# Altium PCB Thermostat_8CH.PCBDOC (part 2 of 10) (continued)
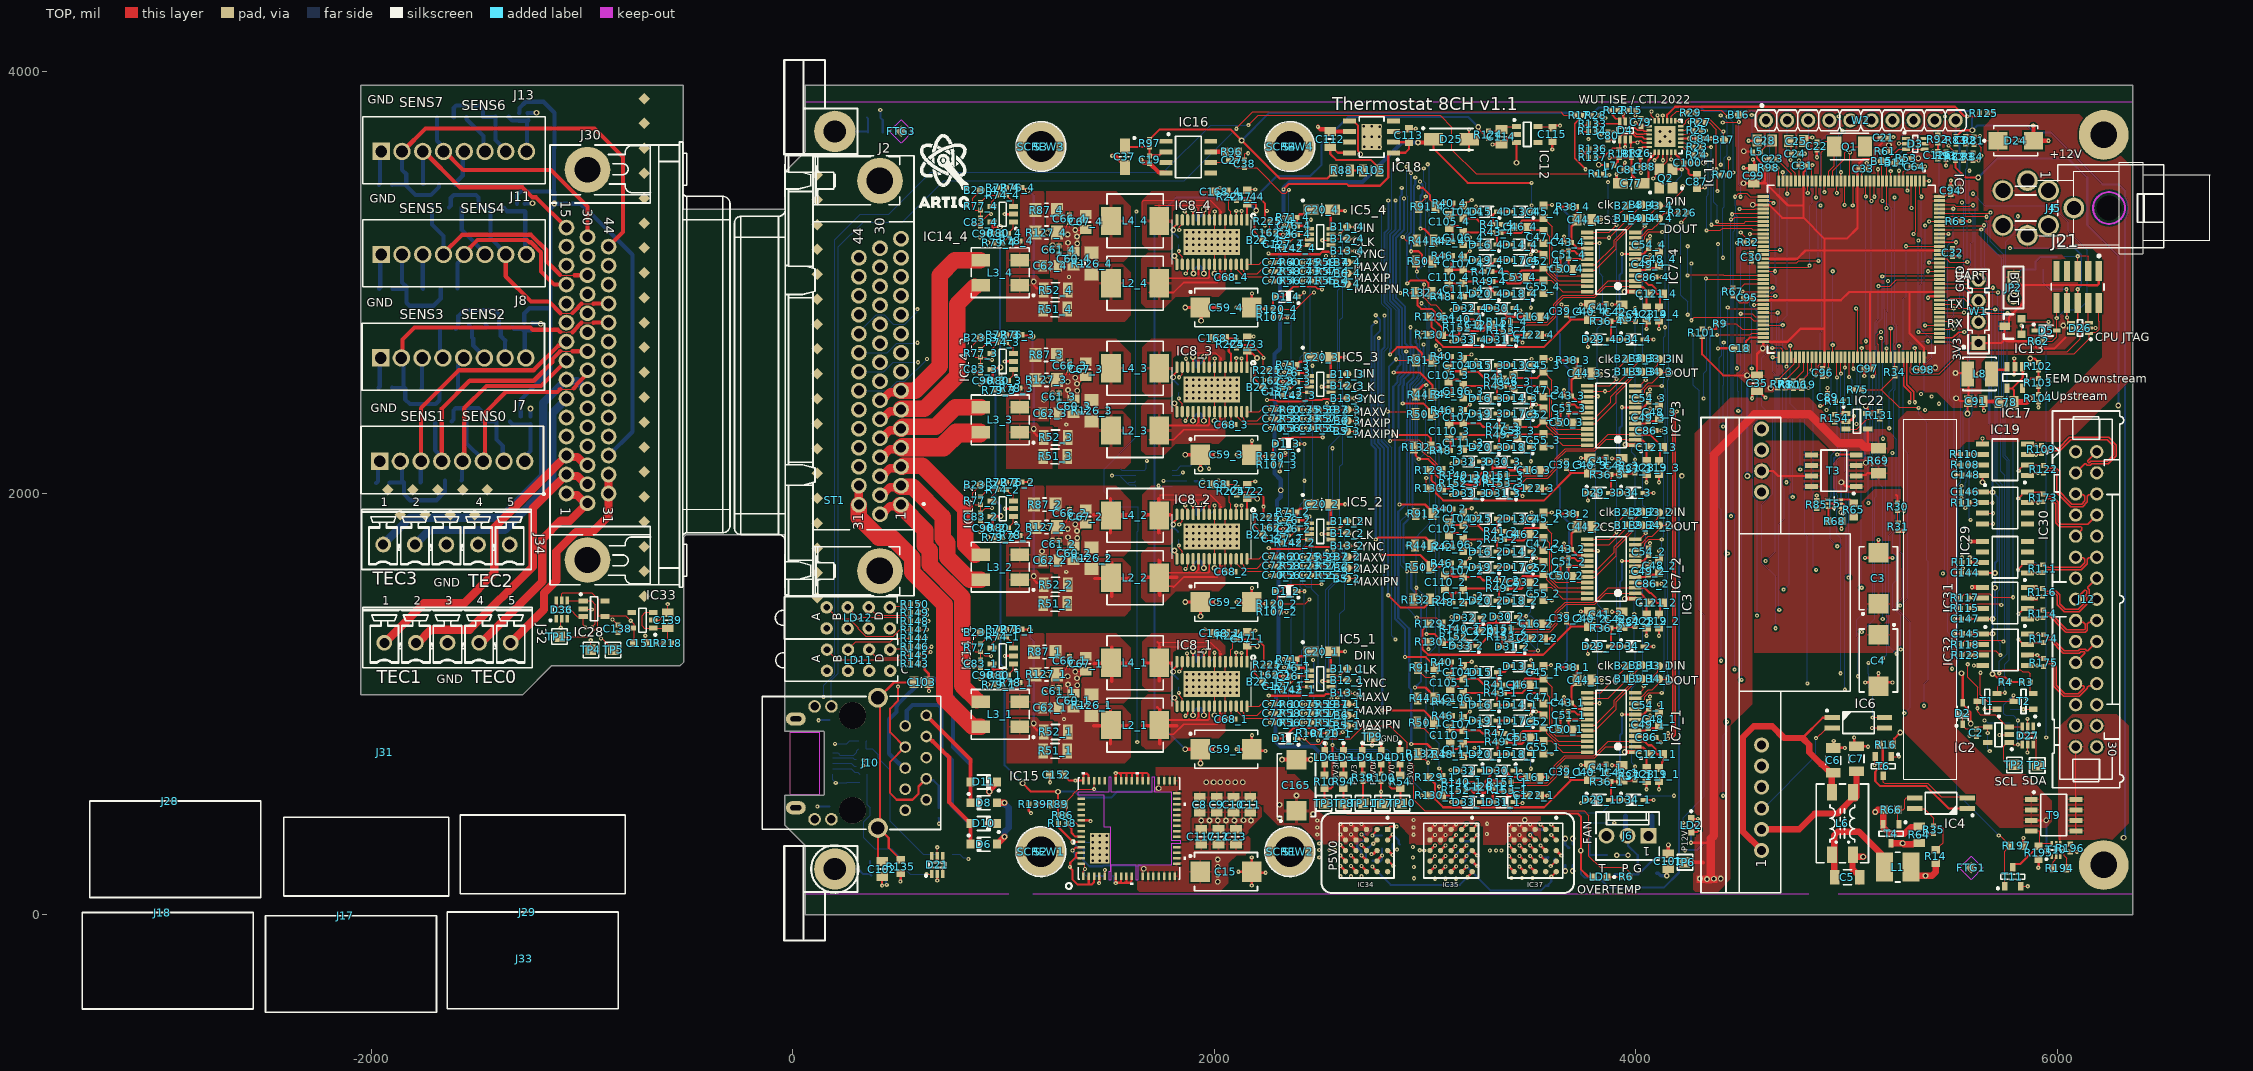
[diagram p0: TOP view]
## Components (designator, comment, footprint, x,y, rotation, side; value= is the part's Value field where it differs from the comment) (continued)
R83 "6k8" RESC1005X40N 5519.69,3674.57 r90 top
R84 "6k8" RESC1005X40N 5599.35,3597.97 r270 top
R85 "33k" RESC1005X40N 4858.87,1946.78 r270 top
R86 "10k" RESC1005X40N 1280.51,473.22 r180 top
R87_1 "0" RESC3116X80N 1194.52,1247.1 r180 top (schematic designator R87)
R87_2 "0" RESC3116X80N 1194.52,1945.92 r180 top (schematic designator R87)
R87_3 "0" RESC3116X80N 1201.43,2656.71 r180 top (schematic designator R87)
R87_4 "0" RESC3116X80N 1202.96,3344.24 r180 top (schematic designator R87)
R88 "10" RESC2012X60N 2604,3532 r0 top
R89 "1k8" RESC1608X55N 1255.83,524.41 r0 top
R90 "10k" RESC1005X40N 4262.8,396.65 r270 bottom
R91_1 "5k" RESC2013X64N 3005.39,1171.06 r180 top (schematic designator R91)
R91_2 "5k" RESC2013X64N 2995,1901.86 r180 top (schematic designator R91)
R91_3 "5k" RESC2013X64N 2996.11,2631.25 r180 top (schematic designator R91)
R91_4 "5k" RESC2013X64N 3009.49,3359.6 r180 top (schematic designator R91)
R92 "1k6" RESC1005X40N 5433.07,3681.1 r90 top
R93 "6k8" RESC1005X40N 5472.44,3602.36 r270 top
R94 "1k3" RESC1608X55N 2612.2,631.35 r90 top
R95 "1k5" RESC1005X40N 1499.53,184.25 r0 bottom
R96 "82k" RESC1608X55N 2082.68,3621.06 r0 top
R97 "33" RESC1005X40N 1692.91,3661.42 r270 top
R98 "1k5" RESC1005X40N 4631.76,3544.75 r0 top
R99 "10k" RESC1005X40N 4263.57,3805.21 r180 bottom
R100 "6k8" RESC1005X40N 2791.44,650.64 r90 top
R101 "10k" RESC1005X40N 4314.87,2761.05 r90 top
R102 "240k" RESC1005X40N 5910.44,2602.32 r90 top
R103 "51k" RESC1005X40N 5910.44,2525.64 r90 top
R104 "2k" RESC1005X40N 5910.44,2451.71 r90 top
R105 "10" RESC2012X60N 2744,3532 r0 top
R106 "2k2" RESC1005X40N 4748.03,2515.75 r270 top
R107_1 "100k" RESC1005X40N 2483.27,861.09 r180 top (schematic designator R107)
R107_2 "100k" RESC1005X40N 2296.26,1436.76 r0 top (schematic designator R107)
R107_3 "100k" RESC1005X40N 2296.26,2135.58 r0 top (schematic designator R107)
R107_4 "100k" RESC1005X40N 2296.26,2834.4 r0 top (schematic designator R107)
R108 "100" RESC1005X40N 5562.11,2134.29 r0 top
R109 "100" RESC1005X40N 5924.98,2208.03 r90 top
R110 "100" RESC1005X40N 5559.47,2184.27 r0 top
R111 "100" RESC1005X40N 5930.97,1642.12 r90 top
R112 "100" RESC1005X40N 5565.96,1671.79 r0 top
R113 "100" RESC1005X40N 5563.45,1955.38 r0 top
R114 "100" RESC1005X40N 5931.76,1428.15 r90 top
R115 "100" RESC1005X40N 5559.86,1453.79 r0 top
R116 "100" RESC1005X40N 5929.14,1530 r90 top
R117 "100" RESC1005X40N 5559.86,1503.79 r0 top
R118 "100" RESC1005X40N 5563.78,1281.89 r0 top
R119 "2k2" RESC1005X40N 4787.4,2515.75 r270 top
R120_1 "1k" RESC1005X40N 2554.45,860.05 r0 top (schematic designator R120)
R120_2 "1k" RESC1005X40N 2296.26,1476.13 r0 top (schematic designator R120)
R120_3 "1k" RESC1005X40N 2296.26,2174.95 r0 top (schematic designator R120)
R120_4 "1k" RESC1005X40N 2296.26,2873.77 r0 top (schematic designator R120)
R121 "10k" RESC1005X40N 3757.39,334.71 r180 bottom
R122 "100" RESC1005X40N 5934.69,2113.5 r90 top
R123 "100" RESC1005X40N 5565.96,1231.89 r0 top
R124 "33" RESC1005X40N 3300.75,3701.77 r90 top
R125 "10k" RESC1005X40N 5650.73,3804.39 r180 top
R126_1 "0" RESC3116X80N 1417.41,993.85 r90 top (schematic designator R126)
R126_2 "0" RESC3116X80N 1417.41,1692.67 r90 top (schematic designator R126)
R126_3 "0" RESC3116X80N 1417.41,2391.49 r90 top (schematic designator R126)
R126_4 "0" RESC3116X80N 1417.41,3090.31 r90 top (schematic designator R126)
R127_1 "0" RESC3116X80N 1202.96,1140.58 r180 top (schematic designator R127)
R127_2 "0" RESC3116X80N 1202.96,1839.39 r180 top (schematic designator R127)
R127_3 "0" RESC3116X80N 1202.96,2538.21 r180 top (schematic designator R127)
R127_4 "0" RESC3116X80N 1202.96,3237.03 r180 top (schematic designator R127)
R128 "100k" RESC1005X40N 1357,262 r180 bottom
R129_1 "0" RESC1608X55N 3048.33,652.78 r180 top (schematic designator R129)
R129_2 "0" RESC1608X55N 3048.33,1381.12 r180 top (schematic designator R129)
R129_3 "0" RESC1608X55N 3048.33,2109.47 r180 top (schematic designator R129)
R129_4 "0" RESC1608X55N 3048.33,2837.82 r180 top (schematic designator R129)
R130_1 "0" RESC1608X55N 3049.29,566.16 r180 top (schematic designator R130)
R130_2 "0" RESC1608X55N 3049.29,1294.51 r180 top (schematic designator R130)
R130_3 "0" RESC1608X55N 3049.29,2022.86 r180 top (schematic designator R130)
R130_4 "0" RESC1608X55N 3049.29,2751.2 r180 top (schematic designator R130)
R131 "100" RESC1005X40N 5157.48,2370.9 r90 top
R132_1 "5k" RESC2013X64N 3006.53,763.59 r180 top (schematic designator R132)
R132_2 "5k" RESC2013X64N 2984.33,1495.86 r180 top (schematic designator R132)
R132_3 "5k" RESC2013X64N 2987.25,2218.08 r180 top (schematic designator R132)
R132_4 "5k" RESC2013X64N 2990.68,2950.62 r180 top (schematic designator R132)
R133 "33" RESC1005X40N 3795.24,3753.34 r180 top
R134 "33" RESC1005X40N 3794.06,3717.91 r180 top
R135 "0" RESC1608X55N 511.81,228.35 r90 top
R136 "33" RESC1005X40N 3796.42,3633.86 r180 top
R137 "33" RESC1005X40N 3795.24,3593.89 r180 top
R138 "100k" RESC1005X40N 1279.03,433.07 r0 top
R139 "100" RESC1005X40N 1138.2,524.41 r0 top
R140_1 "270" RESC1005X40N 3174.76,629.16 r0 top (schematic designator R140)
R140_2 "270" RESC1005X40N 3164.32,1358.29 r0 top (schematic designator R140)
R140_3 "270" RESC1005X40N 3164.91,2085.85 r0 top (schematic designator R140)
R140_4 "270" RESC1005X40N 3178.71,2825.02 r0 top (schematic designator R140)
R141 "10k" RESC1005X40N 4966.03,2437.49 r180 top
R142_1 "1k6" RESC1005X40N 2382,1067 r0 top (schematic designator R142)
R142_2 "1k6" RESC1005X40N 2382,1766 r0 top (schematic designator R142)
R142_3 "1k6" RESC1005X40N 2383,2465 r0 top (schematic designator R142)
R142_4 "1k6" RESC1005X40N 2384,3164 r0 top (schematic designator R142)
R143 "1k" RESC1005X40N 577.35,1191.18 r180 top
R144 "1k" RESC1005X40N 577.35,1312.47 r180 top
R145 "1k" RESC1005X40N 577.35,1231.61 r180 top
R146 "1k" RESC1005X40N 577.35,1272.04 r180 top
R147 "1k" RESC1005X40N 577.35,1352.9 r180 top
R148 "1k" RESC1005X40N 577.35,1393.33 r180 top
R149 "1k" RESC1005X40N 577.35,1433.76 r180 top
R150 "1k" RESC1005X40N 577.35,1474.19 r180 top
R151_1 "270" RESC1005X40N 3389.32,629.16 r0 top (schematic designator R151)
R151_2 "270" RESC1005X40N 3389.32,1357.5 r0 top (schematic designator R151)
R151_3 "270" RESC1005X40N 3370.81,2085.85 r0 top (schematic designator R151)
R151_4 "270" RESC1005X40N 3386.93,2814.2 r0 top (schematic designator R151)
R152_1 "270" RESC1005X40N 3174.76,591.75 r0 top (schematic designator R152)
R152_2 "270" RESC1005X40N 3164.32,1320.2 r0 top (schematic designator R152)
R152_3 "270" RESC1005X40N 3161.16,2048.45 r0 top (schematic designator R152)
R152_4 "270" RESC1005X40N 3180.79,2784.53 r0 top (schematic designator R152)
R153_1 "270" RESC1005X40N 3389.32,589.79 r0 top (schematic designator R153)
R153_2 "270" RESC1005X40N 3389.32,1318.13 r0 top (schematic designator R153)
R153_3 "270" RESC1005X40N 3370.81,2046.48 r0 top (schematic designator R153)
R153_4 "270" RESC1005X40N 3386.93,2774.83 r0 top (schematic designator R153)
R154 "10k" RESC1005X40N 4944.01,2356.23 r90 top
R155 "0" RESC1608X55N -1375,2341 r0 bottom
R156 "0" RESC1608X55N -1946,2049 r0 bottom
R157 "5k" RESC2013X64N -1509,2342 r0 bottom
R158 "5k" RESC2013X64N -1612,2060 r180 bottom
R159 "5k" RESC2013X64N -1658.37,2341 r0 bottom
R160 "5k" RESC2013X64N -1807,2052 r180 bottom
R161 "0" RESC1608X55N -1363,2789 r0 bottom
R162 "0" RESC1608X55N -1934,2501 r0 bottom
R163 "5k" RESC2013X64N -1492.63,2786 r0 bottom
R164 "5k" RESC2013X64N -1628.37,2497 r180 bottom
R165 "5k" RESC2013X64N -1635,2785 r0 bottom
R166 "0" RESC1608X55N -1403.5,3356 r0 bottom
R167 "5k" RESC2013X64N -1800.63,2497 r180 bottom
R168 "5k" RESC2013X64N -1532,3357 r0 bottom
R169 "5k" RESC2013X64N -1632,2972 r180 bottom
R170 "0" RESC1608X55N -1932,2971 r0 bottom
R171 "5k" RESC2013X64N -1672,3357 r0 bottom
R172 "5k" RESC2013X64N -1795.63,2971 r180 bottom
R173 "100" RESC1005X40N 5932.4,1978.35 r90 top
R174 "100" RESC1005X40N 5934.69,1310 r90 top
R175 "100" RESC1005X40N 5934.69,1196.79 r270 top
R176 "5k" RESC2013X64N -1509.37,3785 r0 bottom
R177 "5k" RESC2013X64N -1641,3464 r180 bottom
R178 "5k" RESC2013X64N -1649,3784 r0 bottom
R179 "5k" RESC2013X64N -1794,3468 r180 bottom
R180 "0" RESC1608X55N -1380,3788 r0 bottom
R181 "0" RESC1608X55N -1933,3464 r0 bottom
R194 "1k3" RESC1608X55N 6012.59,219.97 r0 top
R195 "82k" RESC1608X55N 5911.02,293.79 r90 top
R196 "33k" RESC1005X40N 6061.8,316.62 r90 top
R197 "82k" RESC1608X55N 5807.09,326.77 r180 top
R218 "33" RESC1005X40N -594.33,1289.37 r0 top
R219 "162k" RESC1005X40N 2810.24,253.4 r0 bottom
R220 "0" RESC1608X55N 383.56,3782.42 r180 bottom
R221 "162k" RESC1005X40N 3203.79,255.91 r0 bottom
R222 "2k74" RESC1608X55N 2796.01,344.68 r90 bottom
R223 "0" RESC1608X55N 397.9,255.4 r180 bottom
R224_1 "0" RESC1005X40N 2106.38,1324.33 r90 top (schematic designator R224)
R224_2 "0" RESC1005X40N 2106.41,2008.86 r90 top (schematic designator R224)
R224_3 "0" RESC1005X40N 2104.77,2707.68 r90 top (schematic designator R224)
R224_4 "0" RESC1005X40N 2105.59,3406.5 r90 top (schematic designator R224)
R225_1 "10k" RESC1005X40N 2279.29,1185.67 r180 top (schematic designator R225)
R225_2 "10k" RESC1005X40N 2277.76,1885.5 r180 top (schematic designator R225)
R225_3 "10k" RESC1005X40N 2278.39,2583.83 r180 top (schematic designator R225)
R225_4 "10k" RESC1005X40N 2281.83,3291.71 r180 top (schematic designator R225)
R226 "0" RESC1005X40N 4221.44,3331.81 r0 top
R227 "0" RESC1005X40N 2726.39,331.94 r90 bottom
R228 "0" RESC1005X40N 2739.42,258.33 r180 bottom
R229 "0" RESC1005X40N 3171.15,328.01 r270 bottom
R230 "0" RESC1005X40N 3226.96,328.74 r90 bottom
R231 "162k" RESC1005X40N 3598.46,266.46 r0 bottom
S1 "9774050151" 9774050151 2358.27,299.21 r0 top locked
S2 "9774050151" 9774050151 1177.17,299.21 r0 top locked
S3 "9774050151" 9774050151 1177.17,3645.67 r0 top locked
S4 "9774050151" 9774050151 2358.27,3645.67 r0 top locked
SCREW1 "M2.5x4" BOSSARD_BN5687-3061587_v 1177.17,299.21 r0 top
SCREW2 "M2.5x4" BOSSARD_BN5687-3061587_v 2358.27,299.21 r0 top
SCREW3 "M2.5x4" BOSSARD_BN5687-3061587_v 1177.17,3645.67 r0 top
SCREW4 "M2.5x4" BOSSARD_BN5687-3061587_v 2358.27,3645.67 r0 top
ST1 "SCHROFF_PANEL_3U_4HP-Thermostat" "SCHROFF_PANEL_3HP_4U - Thermostat" 199.06,217 r0 top
T1 "BSS138LT1G" SOT95P240X110-3N 5668.31,1012.41 r180 top
T2 "BSS138LT1G" SOT95P240X110-3N 5840.04,1012.4 r180 top
T3 "SI4425DDY-T1-GE3" SOIC127P600X175-8N 4939.58,2107.33 r180 top
T4 "FDN86246" SOT95P237X112-3N 5211.23,383.86 r270 top
T5 "BC857BV" SOTFL50P160X60-6N 4940.96,1950.79 r180 top
T6 "BSS138LT1G" SOT95P240X110-3N 5173.83,705.35 r270 top
T7 "BSS84AK" SOT95P230X110-3N 4054.23,234.36 r180 bottom
T8 "BSS138LT1G" SOT95P240X110-3N 3899.32,237.48 r270 bottom
T9 "SI4425DDY-T1-GE3" SOIC127P600X175-8N 5983.06,472.92 r0 top
T10 "BC857BV" SOTFL50P160X60-6N 5994.05,307.57 r90 top
T11 "BSS138LT1G" SOT95P240X110-3N 5788.86,180.6 r90 top
TP1 "Test Point" TPS127 5905,708.66 r90 top
TP2 "Test Point" TPS127 5796.65,710.7 r90 top
TP3 "Test Point" TPS127 2520.87,529.35 r0 top
TP4 "Test Point" TPS127 -958.5,1256.89 r90 top
TP5 "Test Point" TPS127 -853.19,1256.89 r90 top
TP6 "Test Point" TPS127 4232.96,249 r0 top
TP7 "Test Point" TPS127 2797.88,529.35 r0 top
TP8 "Test Point" TPS127 2613.21,529.35 r0 top
TP9 "Test Point" TPS127 2748.08,844.24 r180 top
TP10 "Test Point" TPS127 2890.21,529.35 r90 top
TP11 "Test Point" TPS127 2705.54,529.35 r90 top
TP15 "Test Point" TPS127 -1107.13,1319.88 r90 top
W1 "Header 4" SAMTEC_HTSW-104-23-L-S 5625.98,2713.39 r90 top
W2 "Header 10" SAMTEC_MTLW-110-07-L-S-250 4618.11,3769.91 r0 top

## Footprints (in the part's own frame and the unit in brackets; to place one, negate y for a bottom-side part, rotate by r counter-clockwise, add the part's x,y. Pads: shape width x height; smd on the part's side, far side on the other; paste and mask are expansions set on the pad)
3M_N2530-6002RB [mm] "30 Contacts - Straight .100\" x .100\" Low Profile Four-Wall Header"
  round 1.6 hole 1: 1(-17.78,-1.27) 2(-17.78,1.27) 3(-15.24,-1.27) 4(-15.24,1.27) 5(-12.7,-1.27) 6(-12.7,1.27) 7(-10.16,-1.27) 8(-10.16,1.27) 9(-7.62,-1.27) 10(-7.62,1.27) 11(-5.08,-1.27) 12(-5.08,1.27) 13(-2.54,-1.27) 14(-2.54,1.27) 15(0,-1.27) 16(0,1.27) 17(2.54,-1.27) 18(2.54,1.27) 19(5.08,-1.27) 20(5.08,1.27) 21(7.62,-1.27) 22(7.62,1.27) 23(10.16,-1.27) 24(10.16,1.27) 25(12.7,-1.27) 26(12.7,1.27) 27(15.24,-1.27) 28(15.24,1.27) 29(17.78,-1.27) 30(17.78,1.27)
  silkscreen extent -22.71,-4.85 22.71,4.52, body extent -22.71,-4.11 22.71,4.52, height 9.91
9774050151 [mm] "SMD Steel Spacer with internal Thread"
  round 6 smd paste-2539.97: 1(0,0)
  round 0 hole 3.7 unplated: ""(0,0)
  body extent -2.55,-2.54 2.53,2.55, height 5
691382000008 [mm] "Vertical PCB Header, pitch 2.5mm, 08p"
  rect 2.1x2.1 hole 1.4: 1(-8.75,-0.15)
  round 2.1 hole 1.4: 2(-6.25,-0.15) 3(-3.75,-0.15) 4(-1.25,-0.15) 5(1.25,-0.15) 6(3.75,-0.15) 7(6.25,-0.15) 8(8.75,-0.15)
  silkscreen extent -11,-4.05 11,4.05, body extent -11,-4.05 11,4.05, height 10.14
ABRACON_ARJM11C7-114-BA-EW2 [mm] "LAN Transformer, body 21.84x15.88mm"
  round 1.4 hole 0.9: 1(5.715,6.35) 2(4.445,8.89) 3(3.175,6.35) 4(1.905,8.89) 5(0.635,6.35) 6(-0.635,8.89) 7(-1.905,6.35) 8(-3.175,8.89) 9(-4.445,6.35) 10(-5.715,8.89)
  round 1.52 hole 1.02: L1(-6.8,-2.55) L2(-6.8,-4.58) L3(6.8,-2.55) L4(6.8,-4.58)
  round 3.25 hole 3.25 unplated: MH1(-5.715,0)
  round 3.2 hole 3.25 unplated: MH2(5.715,0)
  round 2.4 hole 1.6: S1(-7.845,3.05) S2(7.845,3.05)
  silkscreen extent -8.04,-10.87 8.04,10.63, body extent -10.33,-10.87 10.33,10.63, height 16.15
AMPHENOL_10090926-P444XLF [mm] "Right Angle High Density D-sub 44 Male Contacts with Harpoons + UNC 4-40 Clinchnuts + Electrical Continuity"
  round 1.9 hole 1.2: 1(15.52,-2.54) 2(13.23,-2.54) 3(10.94,-2.54) 4(8.65,-2.54) 5(6.36,-2.54) 6(4.07,-2.54) 7(1.78,-2.54) 8(-0.51,-2.54) 9(-2.8,-2.54) 10(-5.09,-2.54) 11(-7.38,-2.54) 12(-9.67,-2.54) 13(-11.96,-2.54) 14(-14.25,-2.54) 15(-16.54,-2.54) 16(16.682,0) 17(14.392,0) 18(12.102,0) 19(9.812,0) 20(7.522,0) 21(5.232,0) 22(2.942,0) 23(0.652,0) 24(-1.638,0) 25(-3.928,0) 26(-6.218,0) 27(-8.508,0) 28(-10.798,0) 29(-13.088,0) 30(-15.378,0) 31(15.52,2.54) 32(13.23,2.54) 33(10.94,2.54) 34(8.65,2.54) 35(6.36,2.54) 36(4.07,2.54) 37(1.78,2.54) 38(-0.51,2.54) 39(-2.8,2.54) 40(-5.09,2.54) 41(-7.38,2.54) 42(-9.67,2.54) 43(-11.96,2.54) 44(-14.25,2.54)
  round 5.5 / inner round 3.8 / far side round 3.8 hole 3.1: 45(-23.513,0) 46(23.527,0)
  silkscreen extent -26.86,-5.4 26.8,17.18, body extent -26.86,-4.57 26.8,17.13, height 12.55
AMPHENOL_ICD44S13E6GX00LF [mm] "Right Angle High Density D-sub 44 Female Contacts with Harpoons + Insert UNC 4-40 + Electrical Continuity"
  round 1.9 hole 1.2: 1(-15.54,-2.54) 2(-13.25,-2.54) 3(-10.96,-2.54) 4(-8.67,-2.54) 5(-6.38,-2.54) 6(-4.09,-2.54) 7(-1.8,-2.54) 8(0.49,-2.54) 9(2.78,-2.54) 10(5.07,-2.54) 11(7.36,-2.54) 12(9.65,-2.54) 13(11.94,-2.54) 14(14.23,-2.54) 15(16.52,-2.54) 16(-16.702,0) 17(-14.412,0) 18(-12.122,0) 19(-9.832,0) 20(-7.542,0) 21(-5.252,0) 22(-2.962,0) 23(-0.672,0) 24(1.618,0) 25(3.908,0) 26(6.198,0) 27(8.488,0) 28(10.778,0) 29(13.068,0) 30(15.358,0) 31(-15.54,2.54) 32(-13.25,2.54) 33(-10.96,2.54) 34(-8.67,2.54) 35(-6.38,2.54) 36(-4.09,2.54) 37(-1.8,2.54) 38(0.49,2.54) 39(2.78,2.54) 40(5.07,2.54) 41(7.36,2.54) 42(9.65,2.54) 43(11.94,2.54) 44(14.23,2.54)
  round 5.5 / inner round 3.8 / far side round 3.8 hole 3.2: 45(-23.53,0) 46(23.51,0)
  silkscreen extent -26.53,-5.4 26.51,17.53, body extent -26.53,-4.1 26.51,17.53, height 11.81
BOSSARD_BN5687-3061587_v [mil] "M2.5 L=4mm Hexalobular Socket Pan Head Screw, Fully Threaded - Stainless Steel A2"
  silkscreen extent -118,-118 118,118, body extent -98,-98 98,98, height 319
C75 [mm] "0.75mm Diameter SMD Pad"
  round 0.75 smd paste-1: 1(0,0)
C100#1 [mm] "1mm Diameter SMD Pad"
  round 1 smd paste-1: 1(0,0)
C100#2 [mm] "1mm Diameter SMD Pad"
  round 1 smd paste-2539.97: 1(0,0)
C100#3 [mm] "1mm Diameter SMD Pad"
  round 1 smd: 1(0,0)
CAPC1005X55N [mm] "Capacitor, Non-Polarized, Chip; 1.00mm L X 0.50mm W X 0.70mm H, IPC Medium Density"
  rect 0.62x0.62 smd: 1(-0.45,0) 2(0.45,0)
  body extent -0.52,-0.27 0.53,0.28, height 0.55
CAPC1608X87N [mm] "Chip Capacitor, Body 1.6x0.8mm IPC Medium Density"
  rect 0.95x1 smd: 1(-0.8,0) 2(0.8,0)
  body extent -0.87,-0.48 0.88,0.47, height 0.87
CAPC1608X90N [mm] "Chip Capacitor, Body 1.6x0.8mm IPC Medium Density"
  rect 0.95x0.95 smd: 1(-0.75,0) 2(0.75,0)
  body extent -0.85,-0.45 0.85,0.45, height 0.9
CAPC2012X110N [mm] "Chip Capacitor, Body 2.0x1.25mm, IPC Medium Density"
  rect 1.15x1.45 smd: 1(-0.9,0) 2(0.9,0)
  silkscreen extent 0,-0.58 0,0.58, body extent -1.05,-0.67 1.05,0.68, height 1.1
CAPC2012X135N [mm] "Chip Capacitor, Body 2.0x1.25mm, IPC Medium Density"
  rect 1.05x1.4 smd: 1(-0.9,0) 2(0.9,0)
  silkscreen extent 0,-0.58 0,0.58, body extent -1.05,-0.67 1.05,0.68, height 1.25
CAPC2012X145N [mm] "Chip Capacitor, Body 2.0x1.45mm, IPC Medium Density"
  rect 1.15x1.45 smd: 1(-0.9,0) 2(0.9,0)
  silkscreen extent 0,-0.58 0,0.58, body extent -1.05,-0.67 1.05,0.68, height 1.45
CAPC3216X140N [mm] "Chip Capacitor, Body 3.2x1.6mm, IPC Medium Density"
  rect 1.15x1.8 smd: 1(-1.5,0) 2(1.5,0)
  silkscreen extent -0.5,-0.9 0.5,0.9, body extent -1.7,-0.9 1.7,0.9, height 1.4
CAPMP3216X180N [mm] "Capacitor, Polarized, Molded  Body 3.2x1.6mm, IPC Medium Density"
  rect 1.8x1.25 smd: 1(-1.3,0) 2(1.3,0)
  silkscreen extent -2.4,-0.7 0,1.25, body extent -1.7,-0.9 1.7,0.9, height 1.6
CAPMP7343X430N [mm] "Capacitor, Polarized, Molded  Body 7.3x4.3mm, IPC Medium Density"
  rect 2.35x2.45 smd: 1(-3.1,0) 2(3.1,0)
  silkscreen extent -4.42,-2.3 3.8,2.3, body extent -3.8,-2.3 3.8,2.3, height 4.3
DIOM5226X220N [mm] "DO-214-AC/SMA Diode, Molded Body; 5.21mm L X 2.60mm W X 2.20mm H, IPC Medium Density"
  rect 2.3x1.55 smd: 1(-2.15,0) 2(2.15,0)
  silkscreen extent -3.52,-1.3 2.6,1.45, body extent -2.6,-1.3 2.6,1.3, height 2.2
DIOM5336X265N [mm] "DO-214-AA/SMB Diode, Molded Body; 5.34mm L X 3.625mm W X 2.65mm H, IPC Medium Density"
  rect 2.3x2.15 smd: 1(-2.15,0) 2(2.15,0)
  silkscreen extent -3.92,-1.8 2.65,1.8, body extent -2.7,-1.95 2.7,1.95, height 2.4
FIDUCIAL_TOP_S100-200 [mm] "Square Fiducial Target, Top Layer, 1.0mm, Top Solder 2.0mm, Keepout =2.0mm"
  rect 1x1 smd rot 45 paste-0.51 mask+0.5: 1(0,0)
  TOP keep-out region: 1.414,0 0,-1.414 -1.414,0 0,1.414
FP-LQFP144-1A-MFG [mm]
  rect 1.35x0.35 smd paste+0 mask+0: 1(-10.625,8.75) 2(-10.625,8.25) 3(-10.625,7.75) 4(-10.625,7.25) 5(-10.625,6.75) 6(-10.625,6.25) 7(-10.625,5.75) 8(-10.625,5.25) 9(-10.625,4.75) 10(-10.625,4.25) 11(-10.625,3.75) 12(-10.625,3.25) 13(-10.625,2.75) 14(-10.625,2.25) 15(-10.625,1.75) 16(-10.625,1.25) 17(-10.625,0.75) 18(-10.625,0.25) 19(-10.625,-0.25) 20(-10.625,-0.75) 21(-10.625,-1.25) 22(-10.625,-1.75) 23(-10.625,-2.25) 24(-10.625,-2.75) 25(-10.625,-3.25) 26(-10.625,-3.75) 27(-10.625,-4.25) 28(-10.625,-4.75) 29(-10.625,-5.25) 30(-10.625,-5.75) 31(-10.625,-6.25) 32(-10.625,-6.75) 33(-10.625,-7.25) 34(-10.625,-7.75) 35(-10.625,-8.25) 36(-10.625,-8.75) 73(10.625,-8.75) 74(10.625,-8.25) 75(10.625,-7.75) 76(10.625,-7.25) 77(10.625,-6.75) 78(10.625,-6.25) 79(10.625,-5.75) 80(10.625,-5.25) 81(10.625,-4.75) 82(10.625,-4.25) 83(10.625,-3.75) 84(10.625,-3.25) 85(10.625,-2.75) 86(10.625,-2.25) 87(10.625,-1.75) 88(10.625,-1.25) 89(10.625,-0.75) 90(10.625,-0.25) 91(10.625,0.25) 92(10.625,0.75) 93(10.625,1.25) 94(10.625,1.75) 95(10.625,2.25) 96(10.625,2.75) 97(10.625,3.25) 98(10.625,3.75) 99(10.625,4.25) 100(10.625,4.75) 101(10.625,5.25) 102(10.625,5.75) 103(10.625,6.25) 104(10.625,6.75) 105(10.625,7.25) 106(10.625,7.75) 107(10.625,8.25) 108(10.625,8.75)
  rect 0.35x1.35 smd paste+0 mask+0: 37(-8.75,-10.625) 38(-8.25,-10.625) 39(-7.75,-10.625) 40(-7.25,-10.625) 41(-6.75,-10.625) 42(-6.25,-10.625) 43(-5.75,-10.625) 44(-5.25,-10.625) 45(-4.75,-10.625) 46(-4.25,-10.625) 47(-3.75,-10.625) 48(-3.25,-10.625) 49(-2.75,-10.625) 50(-2.25,-10.625) 51(-1.75,-10.625) 52(-1.25,-10.625) 53(-0.75,-10.625) 54(-0.25,-10.625) 55(0.25,-10.625) 56(0.75,-10.625) 57(1.25,-10.625) 58(1.75,-10.625) 59(2.25,-10.625) 60(2.75,-10.625) 61(3.25,-10.625) 62(3.75,-10.625) 63(4.25,-10.625) 64(4.75,-10.625) 65(5.25,-10.625) 66(5.75,-10.625) 67(6.25,-10.625) 68(6.75,-10.625) 69(7.25,-10.625) 70(7.75,-10.625) 71(8.25,-10.625) 72(8.75,-10.625) 109(8.75,10.625) 110(8.25,10.625) 111(7.75,10.625) 112(7.25,10.625) 113(6.75,10.625) 114(6.25,10.625) 115(5.75,10.625) 116(5.25,10.625) 117(4.75,10.625) 118(4.25,10.625) 119(3.75,10.625) 120(3.25,10.625) 121(2.75,10.625) 122(2.25,10.625) 123(1.75,10.625) 124(1.25,10.625) 125(0.75,10.625) 126(0.25,10.625) 127(-0.25,10.625) 128(-0.75,10.625) 129(-1.25,10.625) 130(-1.75,10.625) 131(-2.25,10.625) 132(-2.75,10.625) 133(-3.25,10.625) 134(-3.75,10.625) 135(-4.25,10.625) 136(-4.75,10.625) 137(-5.25,10.625) 138(-5.75,10.625) 139(-6.25,10.625) 140(-6.75,10.625) 141(-7.25,10.625) 142(-7.75,10.625) 143(-8.25,10.625) 144(-8.75,10.625)
  silkscreen extent -12,-10.1 10.1,10.1, body extent -11.4,-11.4 11.4,11.4, height 0.25
HARWIN_M50-3600542 [mm] "10 Contacts - Pitch 1.27mm - Dual Row SMT Vertical Pin Header"
  rect 0.74x2.4 smd: 1(-2.54,-1.95) 2(-2.54,1.95) 3(-1.27,-1.95) 4(-1.27,1.95) 5(0,-1.95) 6(0,1.95) 7(1.27,-1.95) 8(1.27,1.95) 9(2.54,-1.95) 10(2.54,1.95)
  silkscreen extent -3.17,-3.9 3.18,0.4, body extent -3.17,-2.81 3.17,2.69, height 4.69
IND_MURATA-PS_8400 [mm] "Miniature Surface Mount Power Inductors, 4.5mm L X 3.3mm W X 2.9mm H, MURATA 8400 Series"
  rect 2x3.5 smd: 1(-1.6,0) 2(1.6,0)
  silkscreen extent -0.3,-1.8 0.3,1.8, body extent -2.4,-1.8 2.4,1.8, height 2.9
IND_MURATA_DLW21S [mm] "Common Mode Choke Coil, DLW21S Series - Body 2 x 1.2mm"
  rect 0.9x0.4 smd: 1(-0.85,-0.4) 2(0.85,-0.4) 3(0.85,0.4) 4(-0.85,0.4)
  silkscreen extent -1.92,-0.6 0,0.6, body extent -1,-0.6 1,0.6, height 1.4
IND_MURATA_LQH44PN_P0 [mm] "Wire Wound Ferrite Inductor for Power Lines, 4mm L X 4mm W X 1.65mm H, MURATA LQH44PN_P0 Series"
  rect 1.55x3 smd: 1(-1.425,0) 2(1.425,0)
  silkscreen extent -2,-2 2,2, body extent -2,-2 2,2, height 1.65
IND_PULSE_PA4339 [mm] "SMD Inductor Body Width 7mm Body Lenght 6mm Height 3.8mm"
  rect 2.2x1.5 smd: 1(-2.35,1.5) 2(-2.35,-1.5) 3(2.35,-1.5) 4(2.35,1.5)
  silkscreen extent -4.13,-3 3.5,3, body extent -3.5,-3 3.5,3, height 3.8
IND_WURTH_WE-SL2 [mm] "Common Mode SMD Line Filter WE-SL2"
  rect 2x1.2 smd: 1(-3.75,1.27) 2(-3.75,-1.27) 3(3.75,-1.27) 4(3.75,1.27)
  silkscreen extent -4.75,-3.15 4.75,3.15, body extent -4.75,-3.15 4.75,3.15, height 5.3
INDC1005X55N [mm] "Chip Inductor, 2-Leads, EIA 0402, Metric 1005, Body 1x0.5mm, 0402IPC Medium Density"
  rect 0.6x0.62 smd: 1(-0.46,0) 2(0.46,0)
  body extent -0.52,-0.27 0.53,0.28, height 0.55
INDM6965X300N [mm] "Inductor Molded Body, Body 6.86mm L X 6.47mm W X 3mm H, IPC Medium Density"
  rect 2.4x3.4 smd: 1(-2.9,0) 2(2.9,0)
  silkscreen extent -3.4,-3.25 3.4,3.25, body extent -3.62,-3.36 3.62,3.36, height 3
jump [mm]
  rect 1.5x1.5 hole 0.965: 1(0,0)
  round 1.5 hole 0.965: 2(0,-2.54)
  silkscreen extent -1.2,-3.81 1.2,1.27, body extent -1.26,-3.84 1.19,1.24, height 8
LED_BIVAR_H485CHHGGDL [mm] "Quad-Level 2mm (Green+Green+HeRed+HeRed) LED, PCB Edge Mounting BIVAR H485C Serie"
  round 1.5 hole 0.8: 1(-3.81,-1.27) 2(-3.81,1.27) 3(-1.27,-1.27) 4(-1.27,1.27) 5(1.27,-1.27) 6(1.27,1.27) 7(3.81,-1.27) 8(3.81,1.27)
  silkscreen extent -9.99,-2.55 4.71,2.55, body extent -9.99,-2.55 4.71,2.55, height 11.3
LED_KINGBRIGHT_KPH-1608CGCK [mm] "SMT Green LED, Case 0603, Body L 1.6 x W 0.8mm H 0.65mm"
  rect 0.8x0.8 smd: 1(-0.825,0) 2(0.825,0)
  silkscreen extent -1.82,-0.4 0.08,0.4, body extent -0.8,-0.4 0.8,0.4, height 0.65
LED_KINGBRIGHT_KPH-1608SURCK [mm] "SMT Hyper Red LED, Case 0603, Body L 1.6 x W 0.8mm H 0.65mm"
  rect 0.8x0.8 smd: 1(-0.825,0) 2(0.825,0)
  silkscreen extent -1.83,-0.4 0.08,0.4, body extent -0.8,-0.4 0.8,0.4, height 0.65
LGA25C127P5X5_625X625X192 [mm] "LGA, 1.27mm Pitch, Square; 25 Pin, 5 Columns X 5 Rows, 6.25mm X 6.25mm X 1.92mm H"
  rect 0.65x0.65 smd: A1(-2.54,2.54)
  round 0.65 smd: A2(-1.27,2.54) A3(0,2.54) A4(1.27,2.54) A5(2.54,2.54) B1(-2.54,1.27) B2(-1.27,1.27) B3(0,1.27) B4(1.27,1.27) B5(2.54,1.27) C1(-2.54,0) C2(-1.27,0) C3(0,0) C4(1.27,0) C5(2.54,0) D1(-2.54,-1.27) D2(-1.27,-1.27) D3(0,-1.27) D4(1.27,-1.27) D5(2.54,-1.27) E1(-2.54,-2.54) E2(-1.27,-2.54) E3(0,-2.54) E4(1.27,-2.54) E5(2.54,-2.54)
  silkscreen extent -4.08,-3.3 3.3,3.3, body extent -3.13,-3.13 3.13,3.13, height 1.92
MICROCHIP_QFN64_12X12 [mm]
  rect 0.9x0.3 smd paste-0.5 mask+0: 1(-5.75,5.525) 2(-5.75,4.875) 3(-5.75,4.225) 4(-5.75,3.575) 5(-5.75,2.925) 7(-5.75,1.625) 8(-5.75,0.975) 9(-5.75,0.325) 10(-5.75,-0.325) 12(-5.745,-1.625) 13(-5.75,-2.275) 14(-5.75,-2.925) 15(-5.75,-3.575) 16(-5.75,-4.225) 17(-5.75,-4.875) 18(-5.75,-5.525) 33(5.75,-5.525) 34(5.75,-4.875) 35(5.75,-4.225) 36(5.75,-3.575) 38(5.75,-2.275) 39(5.75,-1.625) 40(5.75,-0.975) 41(5.75,-0.325) 42(5.75,0.325) 43(5.75,0.975) 44(5.75,1.625) 46(5.75,2.925) 47(5.75,3.575) 48(5.75,4.225) 49(5.75,4.875) 50(5.75,5.525)
  rect 0.3x0.9 smd paste-0.5 mask+0: 19(-4.225,-5.75) 20(-3.575,-5.75) 21(-2.925,-5.75) 22(-2.275,-5.75) 24(-0.975,-5.75) 25(-0.325,-5.75) 26(0.325,-5.75) 27(0.975,-5.75) 28(1.625,-5.75) 29(2.275,-5.75) 30(2.925,-5.75) 31(3.575,-5.75) 32(4.225,-5.75) 52(3.575,5.75) 53(2.925,5.75) 54(2.275,5.75) 55(1.625,5.75) 56(0.975,5.75) 57(0.325,5.75) 58(-0.325,5.75) 59(-0.975,5.75) 60(-1.625,5.75) 61(-2.275,5.75) 62(-2.925,5.75) 63(-3.575,5.75) 64(-4.225,5.75)
  rect 3.65x2.325 smd paste-2 mask-2: 65(-2.39,3.55)
  TOP keep-out region: -6.198,-1.125 -4.369,-1.125 -4.369,-5.131 -1.778,-5.131 -1.778,-6.198 -1.499,-6.198 -1.499,-5.131 4.369,-5.131 4.369,-3.124 4.445,-3.048 4.47,-3.073 6.198,-3.073 6.198,-2.769 6.172,-2.743 4.369,-2.743 4.369,2.134 6.198,2.134 6.198,2.438 4.369,2.438 4.369,6.198 4.089,6.198 4.064,6.172 4.064,3.073 0.229,3.073 0.229,2.25 -5.232,2.25 -5.232,2.438 -6.198,2.438 -6.198,2.133 -4.369,2.133 -4.369,-0.825 -6.198,-0.825
  silkscreen extent -7.29,-6.81 6.81,7.63, body extent -6.02,-6.02 6.02,6.02, height 4
MOLEX_22-27-2031 [mm] "2.54mm (.100\") Pitch KK® Header, Single Row, Vertical, 3 Circuits"
  rect 1.9x1.9 hole 1.2: 1(-2.54,0.005)
  round 1.9 hole 1.2: 2(0,0) 3(2.54,0)
  silkscreen extent -3.81,-2.87 3.81,2.93, body extent -3.81,-2.87 3.81,2.93, height 11.7
MOLEX_39-30-0040 [mm] "4.20mm (.165\") Pitch Mini-Fit Jr. Header, Dual Row, Right Angle with Snap-in Plastic Peg PCB Lock, 4 Circuits"
  round 2.5 hole 1.8: 1(-2.1,2.75) 2(2.1,2.75) 3(-2.1,-2.75) 4(2.1,-2.75)
  round 1 hole 3 unplated mask+1: 5(0,10.05)
  silkscreen extent -5.2,-1.24 4.8,16.65, body extent -5.2,-3.28 4.8,16.65, height 11.4
PHOENIX_1803455 [mm] "PCB Header, 8A, 160 V, Pitch: 3.81mm, 5 Positions, MCV Serie"
  round 1.9 hole 1.2: 1(-7.62,0) 2(-3.81,0) 3(0,0) 4(3.81,0) 5(7.62,0)
  silkscreen extent -10.22,-3 10.22,4.25, body extent -10.22,-3 10.22,4.25, height 9.2
PHOENIX_1803604 [mil] "3.85 5 way connector"
  silkscreen extent 308,-479 682,304, body extent 276,-479 713,302, height 732